# Altium PCB SVEC.pcbdoc (part 10 of 18)
Units mil, origin at the board's own origin, x right, y up, seen from the top; angles counter-clockwise.
Board outline 6349.25 x 9237.04 mil, 10 copper layers (Top Layer, L2 GND, L3, L4 PWR3.3, L5, L6, L7 GND, L8, L9 PWR, Bottom Layer), stack 58.268 mil thick; 906 components, 904 nets, 4753 pads, 3116 vias.
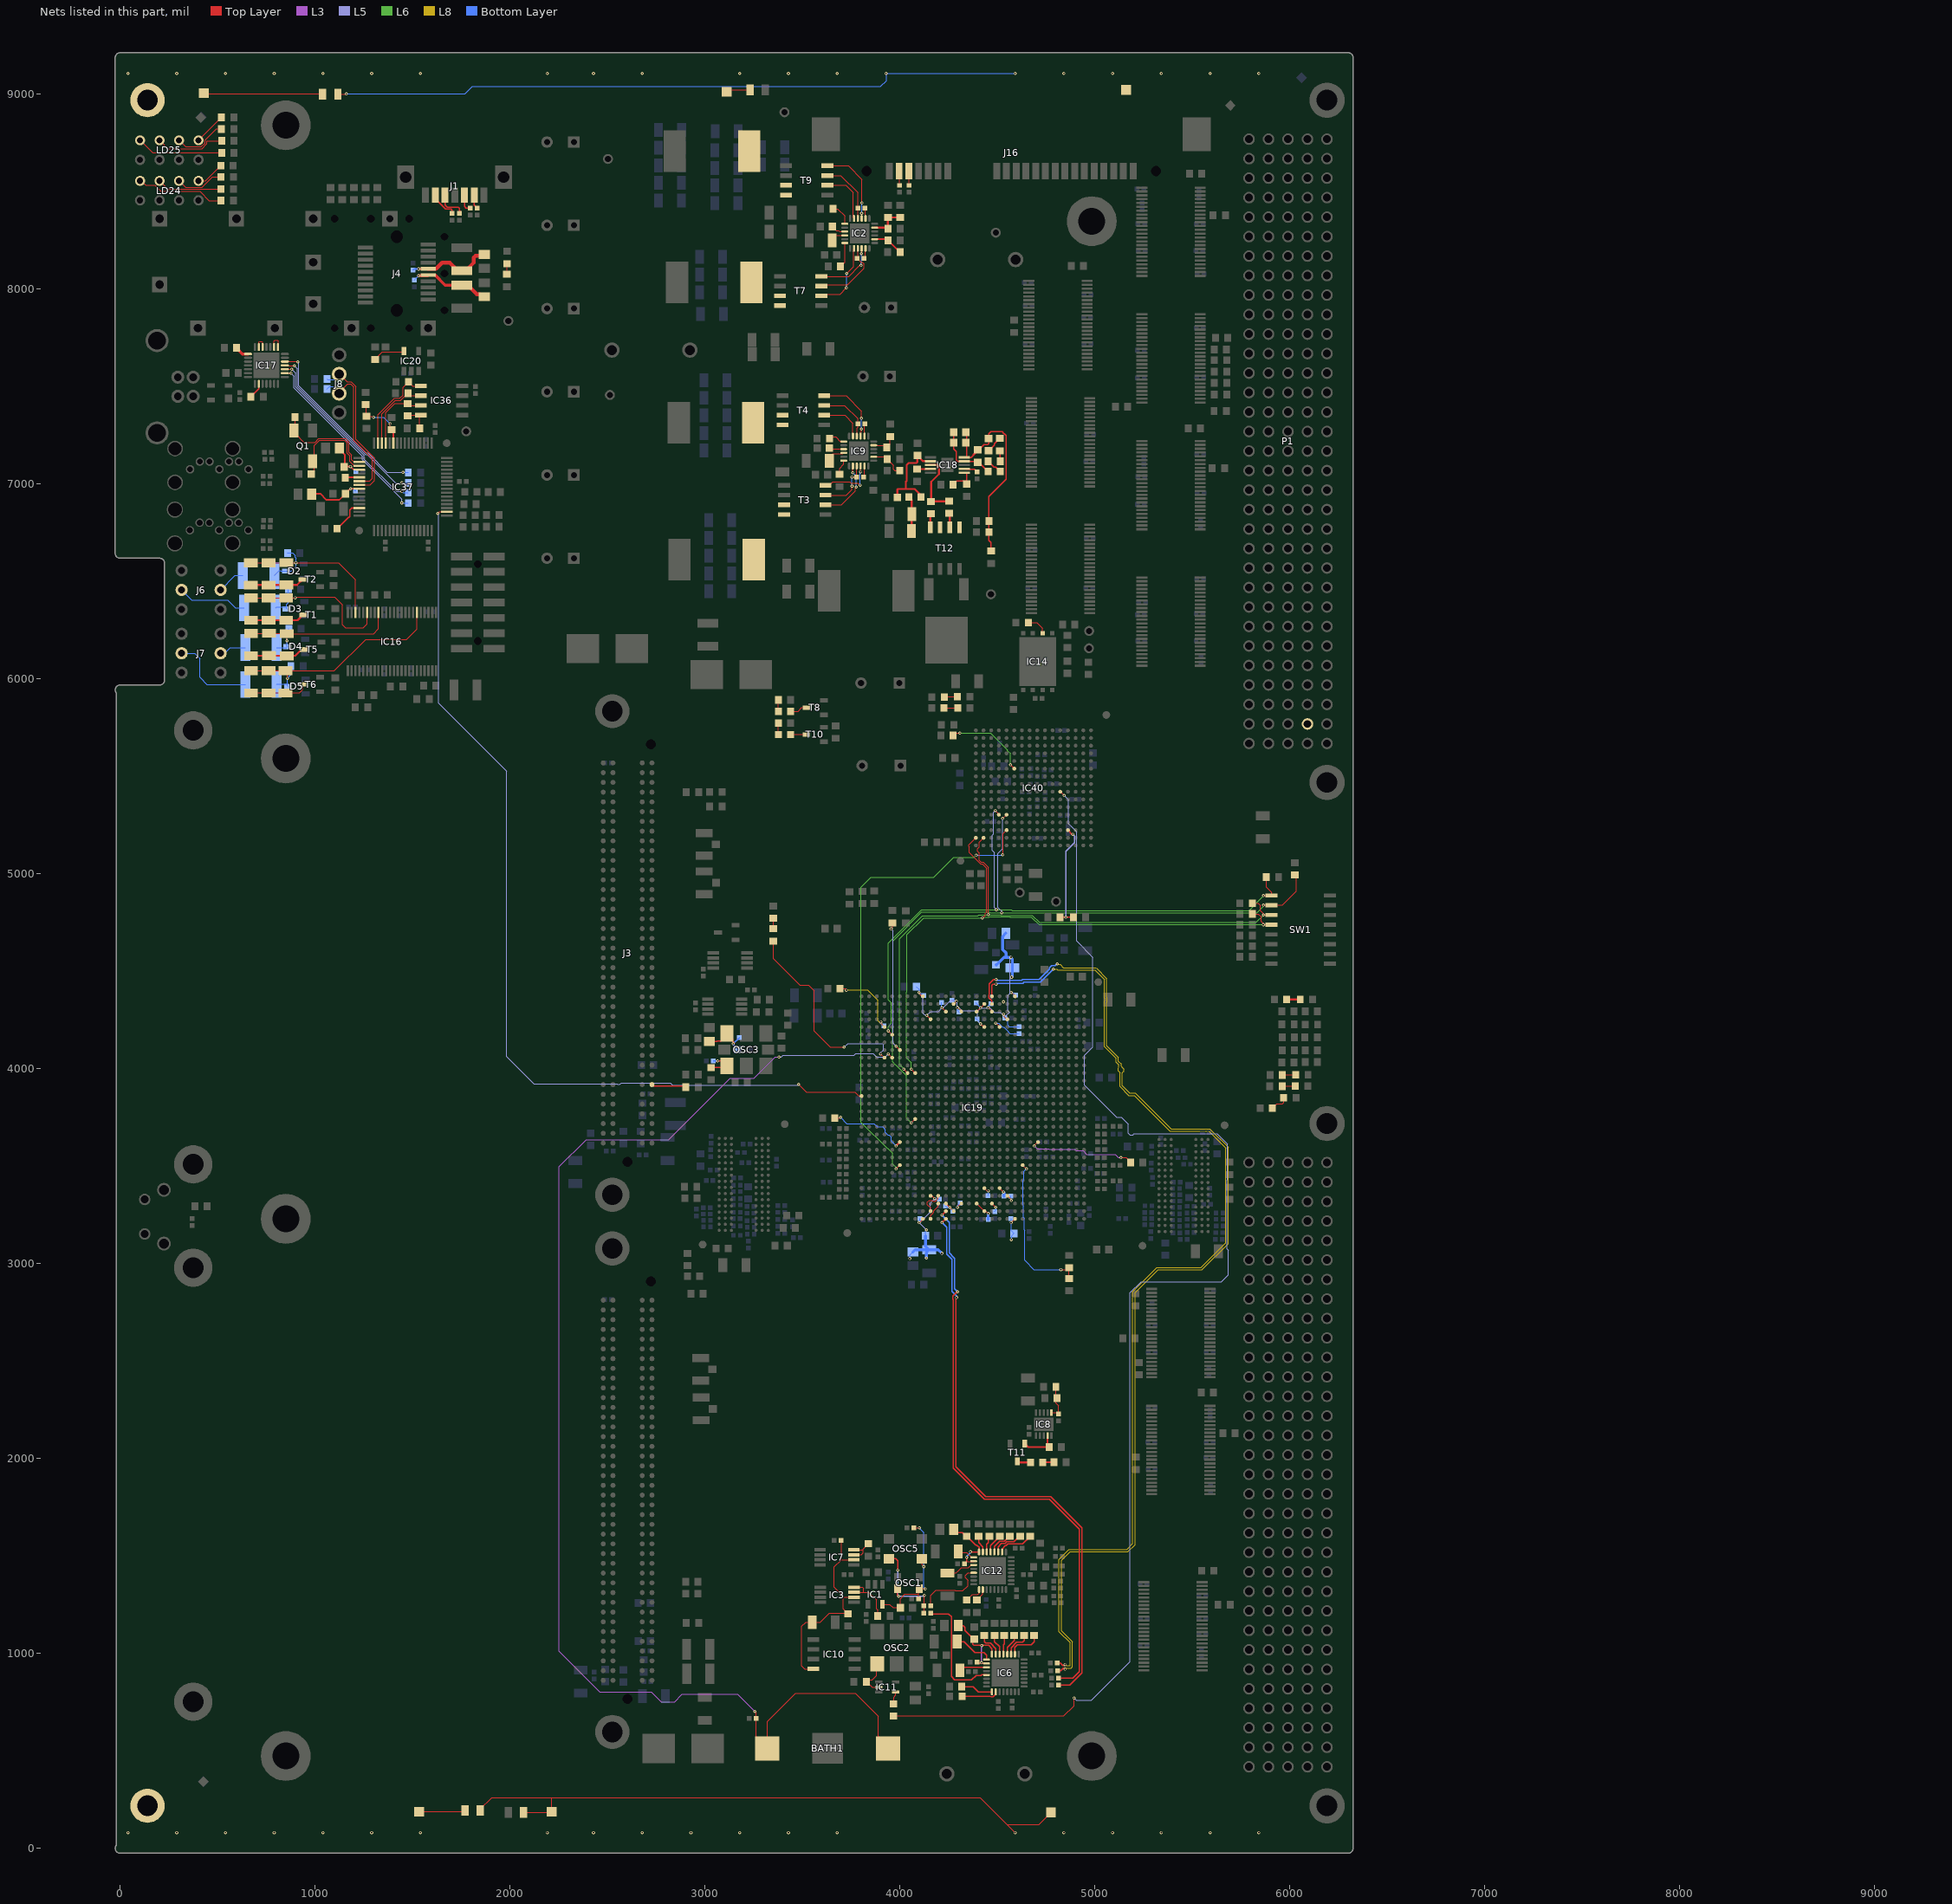
[diagram p18: the nets of this part, all layers, seen from the top]

## Via types
v1: diameter 15.75, hole 7.87, Top Layer to Bottom Layer, tented both sides, 2844 vias
v2: diameter 31.5, hole 15.75, Top Layer to Bottom Layer, tented both sides, 224 vias
v3: diameter 19.68, hole 7.87, Top Layer to Bottom Layer, tented both sides, 31 vias
v4: diameter 15.75, hole 7.87, Top Layer to Bottom Layer, 17 vias

## Nets (pads, with @x,y where several pads share a name; then routed paths per layer and width w, separated by ;. In a path a pad name is that pad's centre, name@x,y a point inside that pad or via, vN(x,y) a via of type N, cw(c..) or ccw(c..) an arc to the next point about the centre after c; other vN are vias at no path point) (continued)
GTP_CK0_N: C266.2 IC19.AK13 | length 5364
  Top Layer w6: IC19.AK13@4471.98,4371.37 4471.98,4380.76 4471.77,4380.98 4471.77,4428.51 4476.77,4433.51 v1(4492.55,4433.51) ; C266.2@4807.27,950.51 4822.55,950.51 4835.05,938.01 4842.68,938.01 v1(4847.55,942.88)
  L8 w4: v1(4786.55,4510.51) 4804.55,4510.51 4808.55,4506.51 4999.55,4506.51 5048.55,4457.51 5048.55,4361.13 5050.43,4359.25 5050.43,4347.76 5048.55,4345.89 5048.55,4113.02 5109.07,4052.51 5109.07,4032.61 5122.43,4019.25 5122.43,4005.38 5119.55,4002.51 5119.55,3987.89 5128.55,3978.89 5128.55,3907.51 5173.55,3862.51 5202.58,3862.51 5385.46,3679.63 5584.43,3679.63 5671.55,3592.51 5671.55,3107.51 5544.55,2980.51 5318.58,2980.51 5193.55,2855.48 5193.55,1563.51 5163.55,1533.51 4867.58,1533.51 4816.55,1482.48 4816.55,1111.51 4872.55,1055.51 4872.55,937.01 4853.43,937.01 v1(4847.55,942.88)
  Bottom Layer w6: v1(4492.55,4433.51) 4497.43,4438.38 4630.39,4438.38 4635.39,4443.38 4719.43,4443.38 v1(4786.55,4510.51)
GTP_CK0_P: C162.2 IC19.AJ13 | length 5503.3
  Top Layer w6: IC19.AJ13@4471.98,4332 4471.98,4347.55 4455.14,4364.4 4455.14,4378.35 4457.77,4380.98 4457.77,4434.3 4480.72,4457.25 v1(4492.55,4457.25) ; C162.2@4809.27,911.51 4824.55,911.51 4837.05,924.01 4842.68,924.01 v1(4847.55,919.13)
  L8 w4: v1(4806.55,4537.51) 4803.55,4534.51 4822.55,4534.51 4838.55,4518.51 5004.52,4518.51 5008.04,4514.99 5060.55,4462.48 5060.55,4366.1 5062.43,4364.22 5062.43,4342.79 5060.55,4340.91 5060.55,4117.99 5121.07,4057.48 5121.07,4037.58 5134.43,4024.22 5134.43,4012.25 5140.17,4006.51 5140.43,4006.51 5148.56,3998.39 5148.56,3986.89 5147.43,3985.76 5147.43,3985.38 5140.55,3978.51 5140.55,3912.48 5178.52,3874.51 5207.55,3874.51 5390.43,3691.63 5589.4,3691.63 5683.55,3597.48 5683.55,3102.54 5549.52,2968.51 5323.55,2968.51 5205.55,2850.51 5205.55,1558.54 5168.52,1521.51 4872.55,1521.51 4828.55,1477.51 4828.55,1116.48 4884.55,1060.48 4884.55,932.04 4877.52,925.01 4853.43,925.01 v1(4847.55,919.13)
  Bottom Layer w6: v1(4492.55,4457.25) 4497.43,4452.38 4624.59,4452.38 4629.59,4457.38 4653.51,4457.38 4713.63,4457.38 4757.95,4501.7 4767.68,4511.43 4767.68,4518.32 4778.74,4529.38 4794.37,4529.38 4795.5,4528.25 4800.76,4533.51 4801.55,4533.51 4805.55,4537.51 v1(4806.55,4537.51)
GTP_CK1_N: C267.2 IC19.A19 | length 2968.5
  Top Layer w6: v1(4216.07,3209.95) IC19.A19@4235.76,3229.64 ; v1@4287.55,2822.51 4287.55,1957.51 4439.55,1805.51 4772.35,1805.51 4933.55,1644.3 4933.55,900.71 4871.35,838.51 C267.2@4813.27,838.51
  Bottom Layer w6: v1(4216.07,3209.95) 4239.55,3186.47 4239.55,3048.71 4266.65,3021.61 4266.65,2857.71 v1@4292.86,2831.51
  other v1: 4290.69,2825.64
GTP_CK1_P: C165.2 IC19.B19 | length 2998.2
  Top Layer w6: v1(4216.07,3249.33) IC19.B19@4235.76,3269.01 ; v1(4295.55,2855.51) 4293.86,2855.51 4273.55,2835.2 4271.81,2833.46 4271.81,2817.82 4273.55,2816.08 4273.55,1951.71 4433.76,1791.51 4766.55,1791.51 4919.55,1638.51 4919.55,906.51 4887.55,874.51 C165.2@4812.27,874.51
  Bottom Layer w6: v1(4216.07,3249.33) 4253.55,3211.84 4253.55,3054.51 4276.55,3031.51 4280.65,3027.41 4280.65,2870.41 v1(4295.55,2855.51)
IO7: IC19.U30 IC37.34 | length 4895.7
  Top Layer w4: v1(3480.69,3919.64) 3519.69,3880.64 3768.69,3880.64 3789.77,3859.56 IC19.U30@3802.69,3859.56
  Top Layer w5: v1(1629.55,6848.51) 1637.6,6856.55 IC37.34@1675.4,6856.55
  L5 w4: v1(1629.55,6848.51) 1634.69,6843.37 1634.69,5874.05 1983.55,5525.19 1983.55,4061.51 2123.55,3921.51 2549.19,3921.51 2551.94,3918.77 2563.43,3918.77 2571.67,3927 2821.63,3927 2833,3915.63 3476.68,3915.63 v1(3480.69,3919.64)
ISENSE: R186.1 R189.2 R193.2 T12.1 T12.3 | length 181.3
  Top Layer w10: R186.1@4045.06,6932.51 4060.64,6916.92 R189.2@4060.64,6845.51 4060.64,6760.51 R193.2@4058.64,6758.51
LCLK_N: IC40.H5 R152.2 | length 6953.4
  Top Layer w5: R152.2@3966.55,680.01 4841.06,680.01 4892.55,731.51 v1(4892.55,771.51) ; IC40.H5@4822.35,5420.82 v1(4842.04,5401.14)
  L5 w5: v1(4842.04,5401.14) 4863.55,5379.62 4863.55,5256.51 4905.78,5214.28 4905.78,4655.28 4989.55,4571.51 4989.55,4111.51 4946.55,4068.51 4946.55,3915.51 5111.55,3750.51 5135.55,3750.51 5171.55,3714.51 5171.55,3681.83 5170.18,3680.46 5170.18,3668.55 5179.23,3659.51 5194.69,3659.51 5201.06,3665.88 5627.18,3665.88 5679.18,3613.88 5679.18,3430.19 5678.18,3429.19 5678.18,3075.21 5683.93,3069.46 5683.93,2942.88 5648.55,2907.51 5237.55,2907.51 5180.55,2850.51 5180.55,958.51 4982.55,760.51 4903.55,760.51 v1(4892.55,771.51)
M12V_VME: P1.a31
MGT_AVC_A: C53.2 C57.2 C58.2 C59.2 C268.2 C270.2 C272.2 C274.2 C276.2 C277.2 C281.2 C283.2 IC19.A10 IC19.A22 IC19.B14 IC19.B18 IC19.C13 IC19.C15 IC19.C17 IC19.C19 IC19.D11 IC19.D21 IC19.E14 L8.2 R235.2 | length 1241.9
  Top Layer w5: v1@4100.55,3209.51 4117.65,3226.6 IC19.A22@4117.65,3229.64 ; IC19.D21@4157.02,3347.75 4163.31,3347.75 v1(4177.42,3333.64) v1@4177.55,3333.51 ; IC19.C19@4235.76,3308.38 4236.68,3308.38 4253.55,3291.51 4253.55,3290.58 IC19.B18@4275.13,3269.01 ; v1@4296.55,3292.51 4312.43,3308.38 IC19.C17@4314.5,3308.38 ; IC19.C15@4393.24,3308.38 IC19.B14@4432.61,3269.01 4440.32,3269.01 v1(4452.69,3256.64) ; IC19.E14@4432.61,3387.12 4433.94,3387.12 4451.55,3369.51 v1@4450.55,3369.51 ; IC19.C13@4471.98,3308.38 v1(4491.66,3288.7) ; IC19.D11@4550.72,3347.75 v1@4570.41,3328.06 ; v1@4570.4,3209.95 IC19.A10@4590.09,3229.64
  L5 w5: v1(4135.69,3173.64) 4136.42,3173.64 4100.55,3209.51 4154.55,3263.51 4154.55,3308.51 4171.55,3325.51 4176.7,3325.51
  Bottom Layer w5: v1@4050.69,3023.64 v1(4050.69,3025.64) 4050.69,3044.07 L8.2@4066.69,3060.07 ; v1@4100.55,3209.51 4102.55,3211.51 C59.2@4102.55,3231.79 ; C270.2@4131.06,3142.51 4131.06,3168.01 4136.55,3173.51 4136.42,3173.64 v1(4135.69,3173.64) ; 4179.55,3325.51 4184.27,3330.22 C57.2@4201.55,3330.22 ; C274.2@4232.55,3294.79 4239.7,3287.64 4253.69,3287.64 4272.11,3269.22 C283.2@4275.55,3269.22 ; v1@4296.55,3292.51 4296.55,3297.51 4309.84,3310.79 C281.2@4315.55,3310.79 ; C58.2@4451.97,3349.64 4452.69,3350.36 v1(4452.69,3373.64) ; C277.2@4486.55,3267.22 4486.55,3268.51 4492.55,3274.51 v1@4492.55,3287.81 ; v1@4568.4,3326.06 R235.2@4568.4,3346.64 ; C53.2@4569.55,3230.79 4570.4,3229.94 4570.4,3209.95 4570.69,3209.67 4570.69,3168.87 C272.2@4585.05,3154.51 4573.55,3143.01 4573.55,3124.51 4571.69,3122.64 v1(4570.69,3122.64)
  Bottom Layer w15: L8.2@4066.69,3060.07 4077.31,3070.7 C268.2@4149.69,3070.7 ; C270.2@4131.06,3142.51 4131.06,3089.33 C268.2@4149.69,3070.7 ; v1(4135.69,3028.64) 4135.69,3056.7 C268.2@4149.69,3070.7 ; v1(4214.69,3052.64) 4196.63,3070.7 C268.2@4149.69,3070.7 ; C276.2@4452.4,3226.64 4452.4,3256.36 v1(4452.69,3256.64)
  other v1: 4097.96,3209.95 4570.4,3209.95 4255.44,3288.7 4294.81,3288.7 4570.69,3323.64
MGT_AVC_B: C92.2 C150.2 C269.2 C271.2 C273.2 C275.2 C278.2 C282.2 C284.2 C285.2 C286.2 C288.2 IC19.AF14 IC19.AG11 IC19.AG21 IC19.AH13 IC19.AH15 IC19.AH17 IC19.AH19 IC19.AJ14 IC19.AJ18 IC19.AK10 IC19.AK22 L9.2 R242.2 | length 2116.3
  Top Layer w5: v1@4097.55,4385.51 4111.69,4371.37 IC19.AK22@4117.65,4371.37 ; v1@4136.55,4272.51 4136.89,4272.51 v1(4137.33,4272.95) IC19.AG21@4157.02,4253.26 ; v1@4216.55,4312.51 4216.26,4312.51 v1(4216.07,4312.32) IC19.AH19@4235.76,4292.63 ; IC19.AJ18@4275.13,4332 4277.05,4332 v1@4292.55,4347.51 ; v1@4299.55,4315.51 4296.55,4315.51 4314.5,4297.56 IC19.AH17@4314.5,4292.63 ; IC19.AH15@4393.24,4292.63 4393.68,4292.63 4432.61,4331.56 IC19.AJ14@4432.61,4332 ; v1(4413.69,4229.64) 4429.44,4213.89 IC19.AF14@4432.61,4213.89 IC19.AF14@4432.61,4222.45 ; v1@4454.55,4310.51 4454.55,4310.06 IC19.AH13@4471.98,4292.63 ; 4529.55,4272.51 4548.8,4253.26 IC19.AG11@4550.72,4253.26 ; v1@4571.55,4393.51 4590.09,4374.97 IC19.AK10@4590.09,4371.37
  L5 w5: v1@4097.55,4385.51 4118.55,4364.51 4118.55,4284.51 4130.55,4272.51 4136.55,4272.51 4157.55,4293.51 4197.55,4293.51 4216.55,4312.51 4222.55,4312.51 4257.55,4347.51 4292.55,4347.51 4292.55,4322.51 4318.55,4296.51 4399.55,4296.51 ; v1(4413.69,4229.64) 4398.43,4244.9 4398.43,4295.38 4399.55,4296.51 ; v1(4569.55,4571.51) 4565.05,4567.01 4565.05,4460.01 ; v1@4571.55,4393.51 v1@4565.05,4387.01 ; v1(4572.69,4469.64) 4574.69,4469.64 4565.05,4460.01 ; 4399.55,4296.51 4412.55,4309.51 4412.55,4311.51 4453.55,4311.51 4454.55,4310.51 4462.55,4310.51 4483.55,4289.51 4514.55,4289.51 4529.55,4274.51 4529.55,4272.51 4545.55,4272.51 4561.55,4288.51 4553.18,4296.88 4553.18,4375.13 v1@4565.05,4387.01 ; v1@4565.05,4387.01 4565.05,4460.01
  Bottom Layer w5: C273.2@4084.05,4420.51 4084.82,4420.51 4099.69,4405.64 4099.69,4389.64 4103.82,4385.51 4108.82,4385.51 4118.55,4375.77 C286.2@4118.55,4369.22 ; C278.2@4213.69,4339.92 4213.69,4314.7 v1(4216.07,4312.32) ; C275.2@4267.55,4351.79 4288.27,4351.79 v1@4292.55,4347.51 ; v1@4299.55,4315.51 4294.69,4310.64 4294.69,4298.09 C285.2@4302.55,4290.22 ; C288.2@4387.97,4261.64 4387.97,4257.81 4412.21,4233.58 v1@4412.92,4233.58 ; C282.2@4390.69,4336.92 4390.69,4334.55 v1(4412.92,4312.32) ; v1(4452.29,4312.32) 4452.29,4324.25 4452.69,4324.64 4456.4,4324.64 C92.2@4465.69,4333.92 ; v1(4530.69,4280.64) 4530.69,4270.64 4537.97,4263.36 C284.2@4537.97,4259.64 4552.69,4244.92 4552.69,4223.64 4561.1,4215.22 R242.2@4611.55,4215.22 ; v1@4571.55,4393.51 4574.82,4393.51 4589.55,4378.77 C150.2@4589.55,4370.22 ; v1(4572.69,4469.64) 4574.69,4469.64 4577.55,4472.51 v1@4576.55,4473.51
  Bottom Layer w15: C271.2@4492.55,4533.01 4495.06,4533.01 4532.55,4570.51 4543.69,4570.51 ; L9.2@4542.99,4694.51 4526.69,4678.21 4526.69,4611.09 4543.69,4594.09 4543.69,4570.51 ; v1@4576.55,4473.51 C269.2@4576.55,4517.45 4576.55,4561.51 4567.55,4570.51 4543.69,4570.51
  other v1: 4294.81,4312.32 4531.03,4343.03 4289.69,4345.64 4097.96,4391.06 4570.4,4391.06
NetBATH1_1: BATH1.1 C32.2 IC19.AB26 | length 6802.2
  Top Layer w4: v1(3255.44,702.08) 3261.35,696.18 C32.2@3261.35,666.65 3261.35,573.36 3319.46,515.25 3319.46,651.92 3464.11,796.57 3771.19,796.57 3889.3,678.46 3889.3,575.75 3899.64,565.41 BATH1.1@3939.46,565.41
  Top Layer w5: v1@3942.55,4074.51 3942.55,4074.03 IC19.AB26@3960.17,4056.41
  L3 w4: v1(3255.44,702.08) 3166.88,790.64 2883.37,790.64 2844.23,751.51 2774.93,751.51 2724.06,802.37 2460.69,802.37 2252.55,1010.51 2252.55,3496.51 2391.55,3635.51 2812.55,3635.51 3128.55,3951.51 3251.55,3951.51 3359.69,4059.64 v1(3379.69,4059.64)
  L5 w4: v1(3379.69,4059.64) 3390.95,4059.64 3400.69,4069.38 3764.49,4069.38 3772.49,4077.38 3863.34,4077.38 3880.08,4060.64 3925.03,4060.64 v1(3940.48,4076.1)
NetC5_2: C5.2 IC9.15 | length 78.8
  Top Layer w5: C5.2@3638.05,7190.51 3639.82,7190.51 3651.98,7178.35 IC9.15@3711.78,7178.35
NetC6_2: C6.2 IC6.19 | length 142.9
  Top Layer w6: C6.2@4307.61,913.51 4323.14,929.03 IC6.19@4444.1,929.03
NetC11_2: C11.2 IC6.17 | length 195.6
  Top Layer w6: C11.2@4300.61,1061 4302.11,1059.51 4328.55,1059.51 4384.05,1004.01 4432.05,1004.01 4444.1,991.96 IC6.17@4444.1,968.4
NetC12_2: C12.2 C15.2 IC3.2 IC7.2 IC10.8 R140.1 | length 1077.2
  Top Layer w4.75: 3663.27,1405 3663.27,1444.22 3699.25,1480.21 ; C15.2@3697.72,1581 3699.25,1579.46 3699.25,1480.21 ; IC7.2@3763.17,1480.21 3699.25,1480.21
  Top Layer w5: IC10.8@3555.25,921 3512.06,921 3496.55,936.51 3496.55,1139.51 3517.05,1160 C12.2@3550.5,1160 3591.05,1160 3638.55,1207.51 3729.55,1207.51 R140.1@3733.55,1203.5 3708.55,1228.51 3708.55,1289.51 ; 3663.27,1405 3663.27,1339.79 3708.55,1294.51 3708.55,1289.51 ; IC3.2@3764.17,1288.21 3709.85,1288.21 3708.55,1289.51
NetC16_2: C16.2 C34.2 L6.1 OSC3.6 | length 272.6
  Top Layer w6: L6.1@3022.55,4140.07 3062.12,4140.07 3063.55,4141.51 3082.55,4141.51 3110.55,4169.51 3110.55,4182.18 3142.55,4150.18 3142.55,4139.51 3148.55,4133.51 3150.55,4133.51 v1(3144.69,4127.64)
  Bottom Layer w6: C16.2@3166.06,4097.51 3166.06,4102.27 3142.69,4125.64 3174.84,4157.79 C34.2@3174.84,4159.51
NetC22_2: C22.2 C27.2 C200.2 IC1.5 OSC1.6 OSC5.4 | length 721
  Top Layer w4.75: IC1.5@3909.96,1251.82 3947.24,1251.82 3964.55,1234.51 C200.2@4002.06,1234.51 ; C200.2@4002.06,1238 4002.06,1280.01 4025.49,1303.45 4095.21,1303.45 4095.27,1303.51 ; C22.2@4095.27,1285 4095.27,1303.51 ; OSC1.6@4099.85,1332.47 4095.27,1327.89 4095.27,1303.51
  Top Layer w5: C27.2@4071.72,1644 4098.94,1644 v1(4099.49,1644.55) ; OSC1.6@4099.85,1332.47 4128.59,1332.47 v1(4129.55,1331.51) ; OSC5.4@4113.2,1485.82 4113.2,1454.86 v1(4122.55,1445.51)
  Bottom Layer w5: v1@4099,1644 4122.55,1620.45 v1(4122.55,1445.51) 4122.55,1338.51 v1(4129.55,1331.51)
NetC30_2: C30.2 IC19.AF27 R97.2 | length 407.1
  Top Layer w5: R97.2@3693.05,4410.51 3719.55,4410.51 3725.55,4404.51 v1(3725.55,4402.51) ; v1@3898.55,4234.51 3900.18,4234.51 IC19.AF27@3920.8,4213.89
  L8 w5: v1(3725.55,4402.51) 3725.55,4404.51 3832.55,4404.51 3886.18,4350.88 3886.18,4246.88 v1@3898.55,4234.51
  Bottom Layer w5: v1@3898.55,4234.51 3919.55,4213.51 C30.2@3922.84,4213.51
  other v1: 3901.69,4240.64
NetC33_2: C33.2 IC18.9 | length 70.7
  Top Layer w10: C33.2@4079.55,7073 4082.37,7075.82 IC18.9@4149.1,7075.82
NetC35_2: C35.2 IC2.16 | length 68.9
  Top Layer w5: C35.2@3652.61,8264.51 3663.14,8275.03 IC2.16@3717.15,8275.03
NetC37_1: C37.1 C41.1 OSC1.4 OSC5.3 | length 503
  Top Layer w4.75: C37.1@4124.84,1203 4124.84,1296.79 v1(4125.55,1297.51)
  Top Layer w6: OSC5.3@3943.91,1485.82 3978.24,1485.82 3988.55,1475.51 v1(3988.55,1427.51) ; OSC1.4@3987.25,1332.47 3987.25,1299.81 v1(3993.55,1293.51)
  L5 w6: v1(3988.55,1427.51) 3988.55,1298.51 v1(3993.55,1293.51) 4121.55,1293.51 v1(4125.55,1297.51)
NetC37_2: C37.2 IC6.21 | length 615.6
  Top Layer w6: C37.2@4160.27,1203 4250.06,1203 4263.75,1189.31 4263.75,881.31 4280.55,864.51 4367.55,864.51 4390.35,887.3 4415.79,887.3 4418.99,890.51 4443.26,890.51 IC6.21@4444.1,889.66
NetC38_1: C38.1 IC9.23 | length 50.4
  Top Layer w5: C38.1@3815.27,7042.51 3818.08,7045.32 IC9.23@3818.08,7091.73
NetC38_2: C38.2 IC9.21 L3.1 T3.3 T3.7 T3.8 | length 294.7
  Top Layer w5: T3.3@3617.85,6942.51 3725.55,6942.51 3754.55,6971.51 v1(3754.55,6988.13) ; v1(3754.55,7035.51) 3755.55,7034.51 C38.2@3778.84,7034.51 3778.71,7034.63 IC9.21@3778.71,7091.73
  Bottom Layer w5: v1(3754.55,6988.13) v1(3754.55,7035.51)
NetC39_1: C39.1 IC9.8 | length 63.7
  Top Layer w5: IC9.8@3818.08,7245.28 3818.08,7307.25 C39.1@3819.29,7308.47
NetC39_2: C39.2 IC9.10 L4.1 T4.3 T4.7 T4.8 | length 292.4
  Top Layer w5: T4.3@3610.85,7402.51 3715.55,7402.51 3783.86,7334.2 C39.2@3783.86,7308.47 3783.86,7290.81 3779.55,7286.51 3779.55,7246.12 IC9.10@3778.71,7245.28
NetC40_2: C40.2 OSC3.1 R16.1 | length 160.2
  Top Layer w6: R16.1@3031.55,4006 3099.73,4006 3110.55,4016.83 3087.88,4039.51 v1(3065.55,4039.51)
  Bottom Layer w6: C40.2@3043.27,4039.51 v1(3065.55,4039.51)
NetC41_2: C41.2 IC12.21 | length 372.7
  Top Layer w5: C41.2@4158.27,1244 4158.27,1297.22 4185.64,1324.59 4282.09,1324.59 4285.04,1321.64 4322.69,1321.64 4348.55,1347.51 4348.55,1375.76 4336.18,1388.14 4336.18,1400.87 4349.47,1414.16 IC12.21@4378.1,1414.16
NetC42_2: C42.2 IC12.19 | length 151.6
  Top Layer w5: C42.2@4243.55,1412.56 4287.61,1412.56 4297.55,1422.51 4297.55,1422.65 4315.2,1440.3 4351.35,1440.3 4364.58,1453.53 IC12.19@4378.1,1453.53
NetC43_2: C43.2 IC8.1 R146.1 R187.1 | length 186
  Top Layer w5: IC8.1@4776.92,2235.56 4807.21,2235.56 C43.2@4813.55,2229.22 4813.55,2270.51 4800.05,2284.01 R187.1@4800.05,2311.51 ; R146.1@4800.05,2367.51 R187.1@4800.05,2311.51 ; R187.1@4802.05,2313.51 R187.1@4800.05,2311.51
NetC48_2: C48.2 C55.2 IC12.16 IC12.18 L2.1 | length 343.7
  Top Layer w5: C48.2@4341.55,1470.29 4342.66,1471.4 4376.28,1471.4 IC12.18@4378.1,1473.21
  Top Layer w6: L2.1@4272.99,1620 4319.06,1620 4340.55,1598.51 4345.82,1598.51 4388.82,1555.51 4393.55,1555.51 4405.66,1543.4 IC12.16@4405.66,1520.46 4362.6,1520.46 v1(4361.55,1521.51) ; C48.2@4331.27,1460 4341.55,1470.29 v1(4341.55,1493.51)
  Bottom Layer w6: v1(4341.55,1493.51) 4341.55,1497.51 4361.55,1517.51 v1(4361.55,1521.51)
NetC50_2: C50.2 IC12.17 | length 91
  Top Layer w5: C50.2@4299.61,1523 4304.11,1518.51 4341.55,1518.51 4367.16,1492.9 IC12.17@4378.1,1492.9
NetC51_2: C51.2 C52.2 IC6.16 IC6.18 L1.1 | length 422.1
  Top Layer w6: L1.1@4298.99,1143 4324.06,1143 4332.55,1134.51 4332.55,1117.77 4373.55,1076.77 4373.55,1047.51 4379.55,1041.51 4454.55,1041.51 4471.66,1024.4 IC6.16@4471.66,995.96 ; C51.2@4398.27,955.51 4405.06,948.72 v1@4418.55,948.72 ; v1@4418.55,956.59 v1@4418.55,948.72 ; IC6.18@4444.1,948.72 v1@4418.55,948.72
  L3 w6: v1@4418.55,952.51 4418.55,1039.51 v1(4419.55,1040.51)
  other v1: 4417.55,952.51
NetC78_1: C78.1 C79.1 C100.1 C116.1 IC18.5 R170.2 R171.2 R183.1 | length 1101.3
  Top Layer w6: C100.1@4338.05,7264.51 4342.01,7260.55 4342.01,7134.88 4364.92,7134.88 4375.19,7145.14 ; C116.1@4399.55,7174 4375.19,7149.64 4375.19,7145.14 ; R183.1@4467.55,6655 4467.55,6698.51 4456.05,6710.01 R170.2@4456.05,6752.51 R171.2@4456.05,6809.51 4456.05,6935 4545.55,7024.51 4545.55,7247.3 4535.14,7257.72 4534.34,7257.72 4523.55,7268.51 4466.55,7268.51 4454.55,7256.51 C78.1@4454.55,7233 4454.55,7206.51 4449.69,7201.64 4431.69,7201.64 4375.19,7145.14
NetC78_2: C78.2 R130.1 | length 87.9
  Top Layer w6: C78.2@4454.55,7170.01 4484.55,7200.01 4484.55,7206.51 4511.05,7233 R130.1@4512.55,7233
NetC79_2: C79.2 C100.2 C116.2 IC18.4 R169.2 | length 335.4
  Top Layer w6: C100.2@4275.06,7264.51 C79.2@4275.06,7211.51 4275.06,7180 4289.69,7165.37 4289.69,7121.64 4296.14,7115.19 4395.37,7115.19 C116.2@4399.55,7111.01 4404.55,7111.01 R169.2@4452.06,7063.51
NetC101_2: C101.2 IC18.1 R178.1 | length 119.8
  Top Layer w6: R178.1@4273.05,6995.51 4292.05,7014.51 4342.06,7014.51 4343.55,7016 4342.01,7017.55 IC18.1@4342.01,7056.14
NetC102_2: C102.2 IC18.2 | length 60.2
  Top Layer w6: IC18.2@4342.01,7075.82 4382.96,7075.82 C102.2@4396.55,7062.22
NetC167_1: C167.1 IC2.23 | length 55
  Top Layer w5: C167.1@3816.64,8155.88 3823.45,8162.69 IC2.23@3823.45,8208.1
NetC167_2: C167.2 IC2.21 L12.1 T7.3 T7.7 T7.8 | length 379.3
  Top Layer w5: T7.3@3596.85,8014.51 3603.23,8020.88 3730.93,8020.88 3816.55,8106.51 3816.55,8127.51 3815.93,8127.51 3807.26,8136.17 3800.91,8136.17 C167.2@3781.21,8155.88 3784.08,8158.75 IC2.21@3784.08,8208.1
NetC173_2: C173.2 IC9.16 | length 86.2
  Top Layer w5: C173.2@3635.61,7134.51 3655.61,7154.51 3707.62,7154.51 IC9.16@3711.78,7158.66
NetC195_1: C195.1 IC2.8 | length 53.8
  Top Layer w5: C195.1@3819.64,8413.88 3823.45,8410.06 IC2.8@3823.45,8361.65
NetC195_2: C195.2 IC2.10 L13.1 T9.3 T9.7 T9.8 | length 324.6
  Top Layer w5: T9.3@3628.22,8581.93 3696.13,8581.93 3784.08,8493.98 IC2.10@3784.08,8361.65
NetC214_1: C214.1 C220.1 J4.16 L5.2 | length 450.9
  Top Layer w8: v1(1530.55,8102.51) 1532.55,8102.51 1532.98,8102.93 J4.16@1580.97,8102.93
  Top Layer w20: J4.16@1580.97,8102.93 1619.98,8102.93 1651.69,8134.64 1690.69,8134.64 1712.69,8112.64 1712.69,8108.64 1727.88,8093.45 C220.1@1752.55,8093.45 1772.5,8093.45 1814.55,8135.51 1814.55,8161.51 1822.55,8169.51 1861.12,8169.51 L5.2@1868.55,8176.94
  Bottom Layer w8: C214.1@1502.55,8096.79 1508.27,8102.51 v1(1530.55,8102.51)
NetC219_1: C219.1 C228.1 J4.15 L11.2 | length 398.5
  Top Layer w15: v1(1530.55,8068.51) 1578.04,8068.51 J4.15@1580.97,8071.44 1614.95,8071.44 1666.83,8019.56 C219.1@1753.55,8019.56
  Top Layer w20: C219.1@1774.5,8028.56 1829.42,7973.64 1847.69,7973.64 1861.25,7960.07 L11.2@1867.55,7960.07
  Bottom Layer w5: C228.1@1508.55,8046.22 1508.55,8046.51 v1(1530.55,8068.51)
NetC298_2: C298.2 C299.2 IC18.7 R186.2 | length 476.8
  Top Layer w10: C298.2@3987.05,6930.51 3987.05,6971 3989.69,6973.64 4027.42,6973.64 ; C299.2@4089.55,7146.01 C299.2@4089.55,7143.51 ; R186.2@4108.05,6932.51 4108.05,6941.01 4075.42,6973.64 4027.42,6973.64 ; IC18.7@4149.1,7115.19 4147.65,7116.64 4116.42,7116.64 C299.2@4089.55,7143.51 ; 4027.42,6973.64 4030.55,6976.77 4030.55,7011.37 4034.55,7015.37 4034.55,7096.64 4044.55,7106.64 4083.42,7106.64 4089.55,7112.77 C299.2@4089.55,7143.51
NetC300_2: C300.2 IC2.15 | length 73
  Top Layer w4: C300.2@3654.05,8318.51 3673.05,8299.51 3685.55,8299.51 3690.34,8294.72 IC2.15@3717.15,8294.72
NetC348_1: C348.1 J1.6 | length 71.4
  Top Layer w6: J1.6@1816.07,8480.73 1816.07,8429.97 C348.1@1830.69,8415.36
NetC349_1: C349.1 J1.3 | length 149.8